# Altium PCB spd150.PcbDoc (part 1 of 15) (continued)
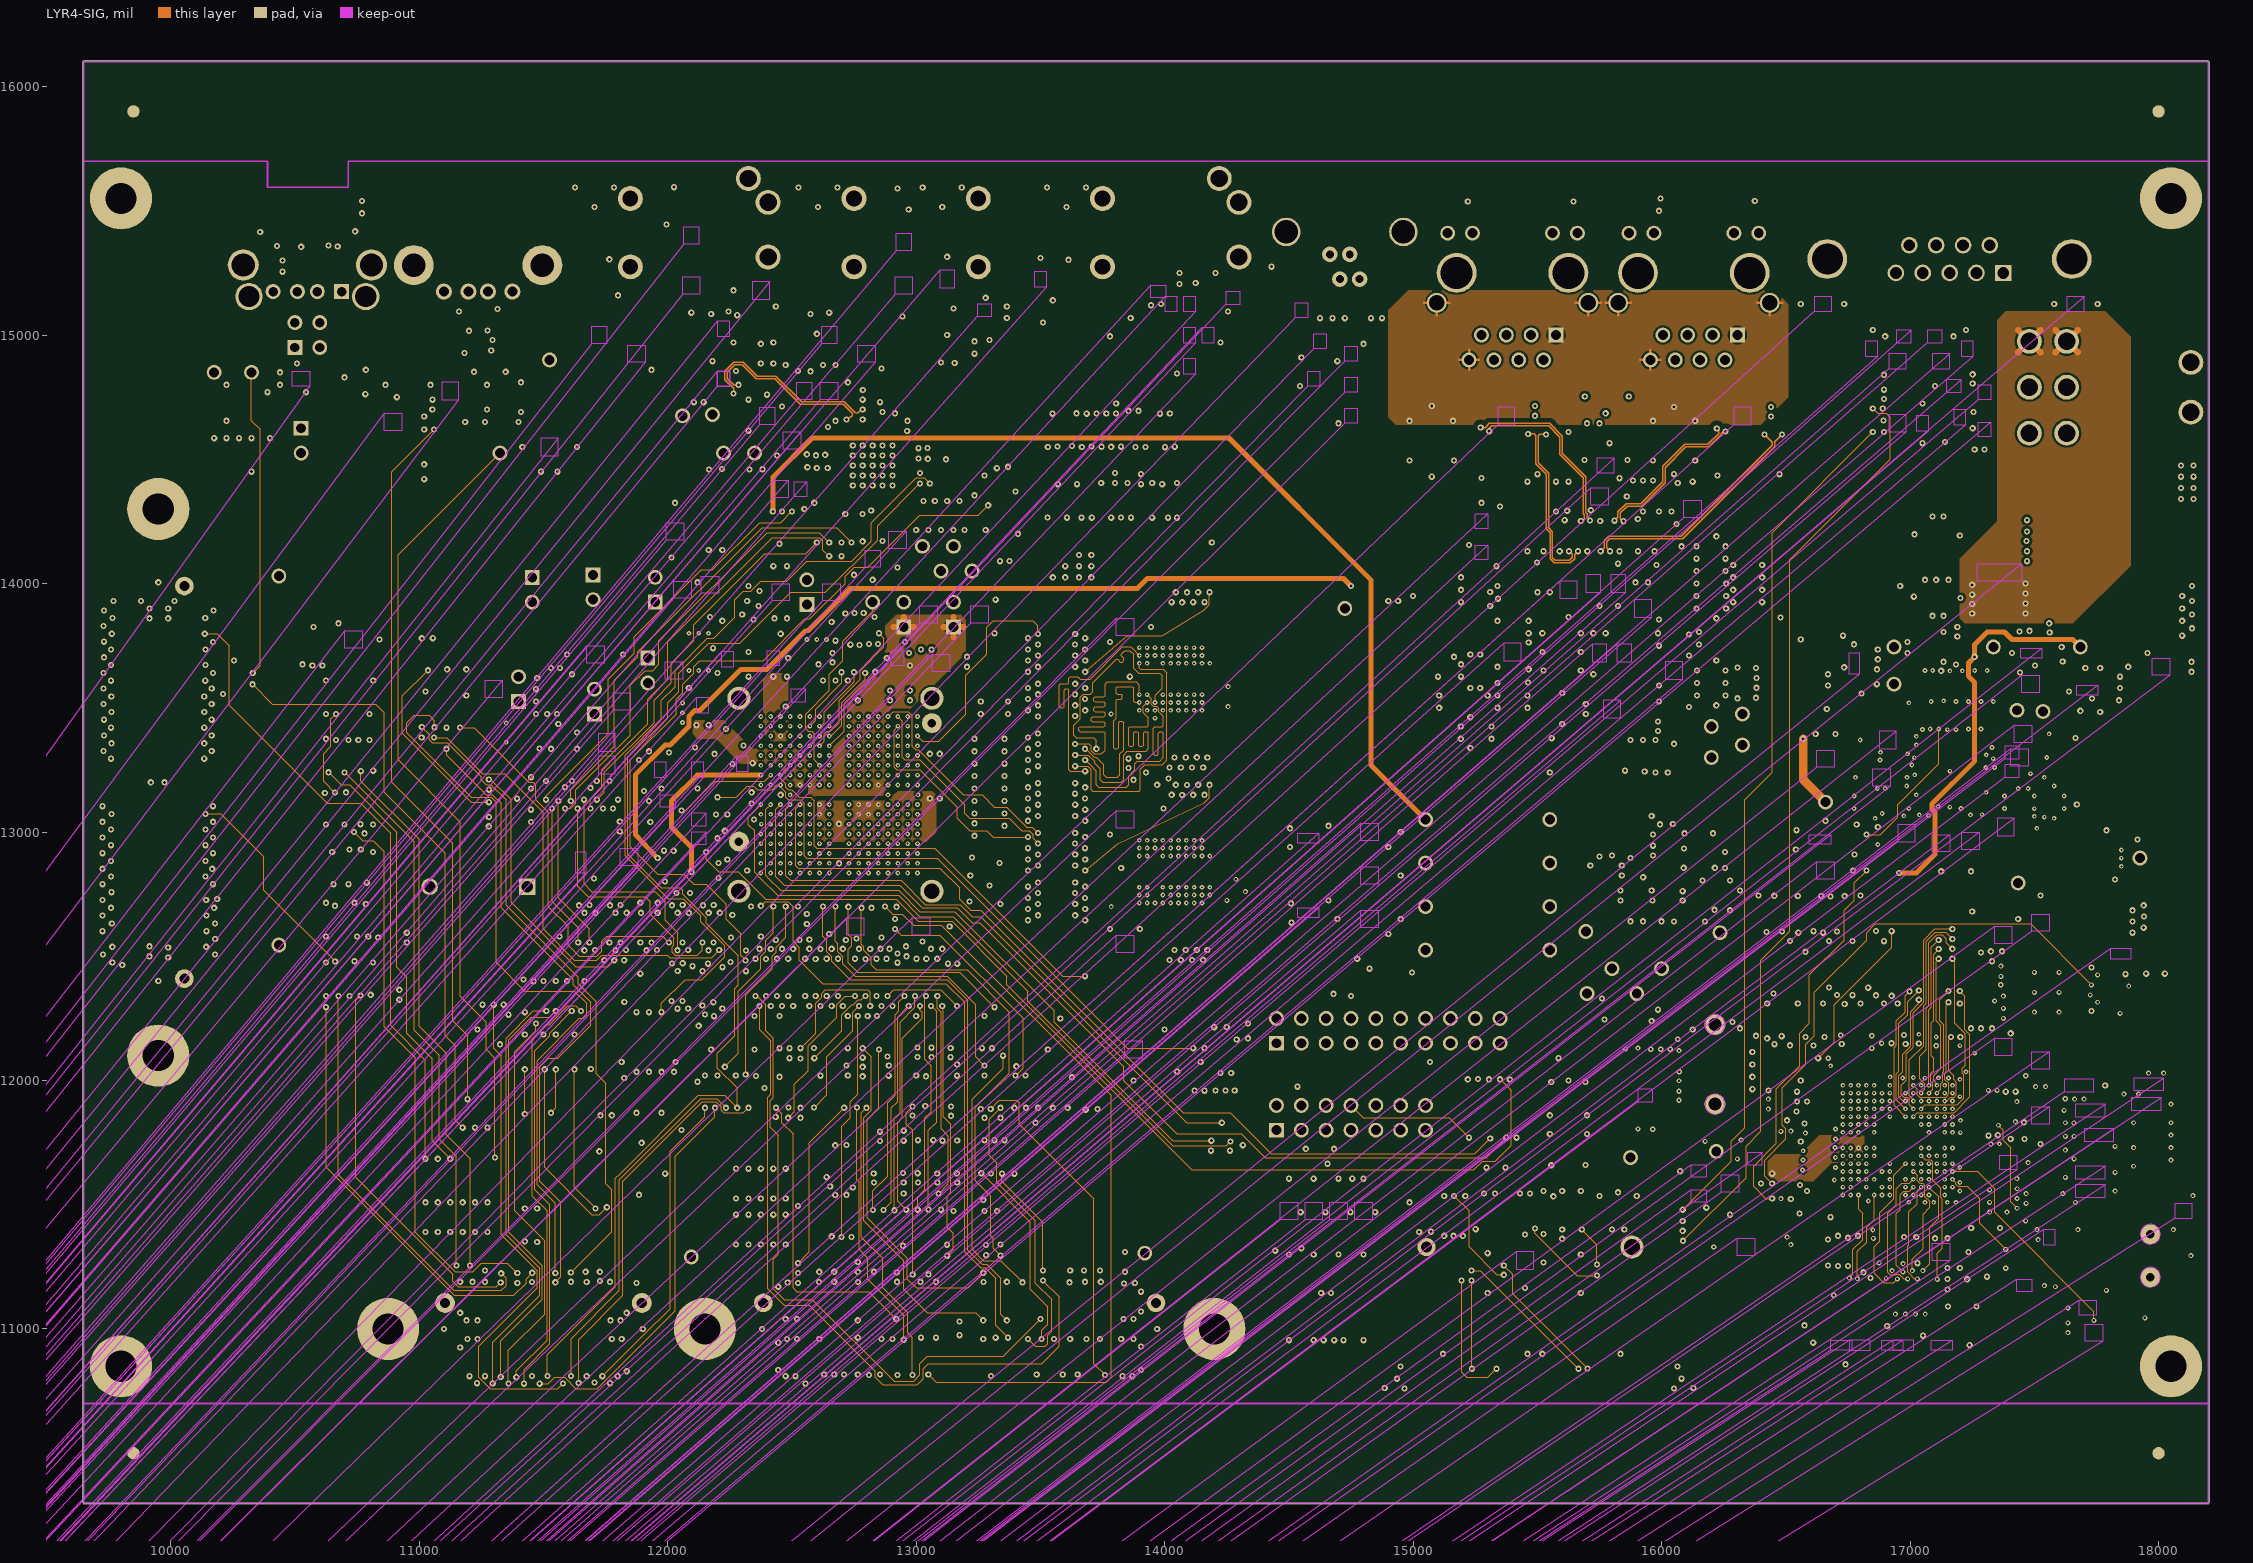
[diagram p4: LYR4-SIG]
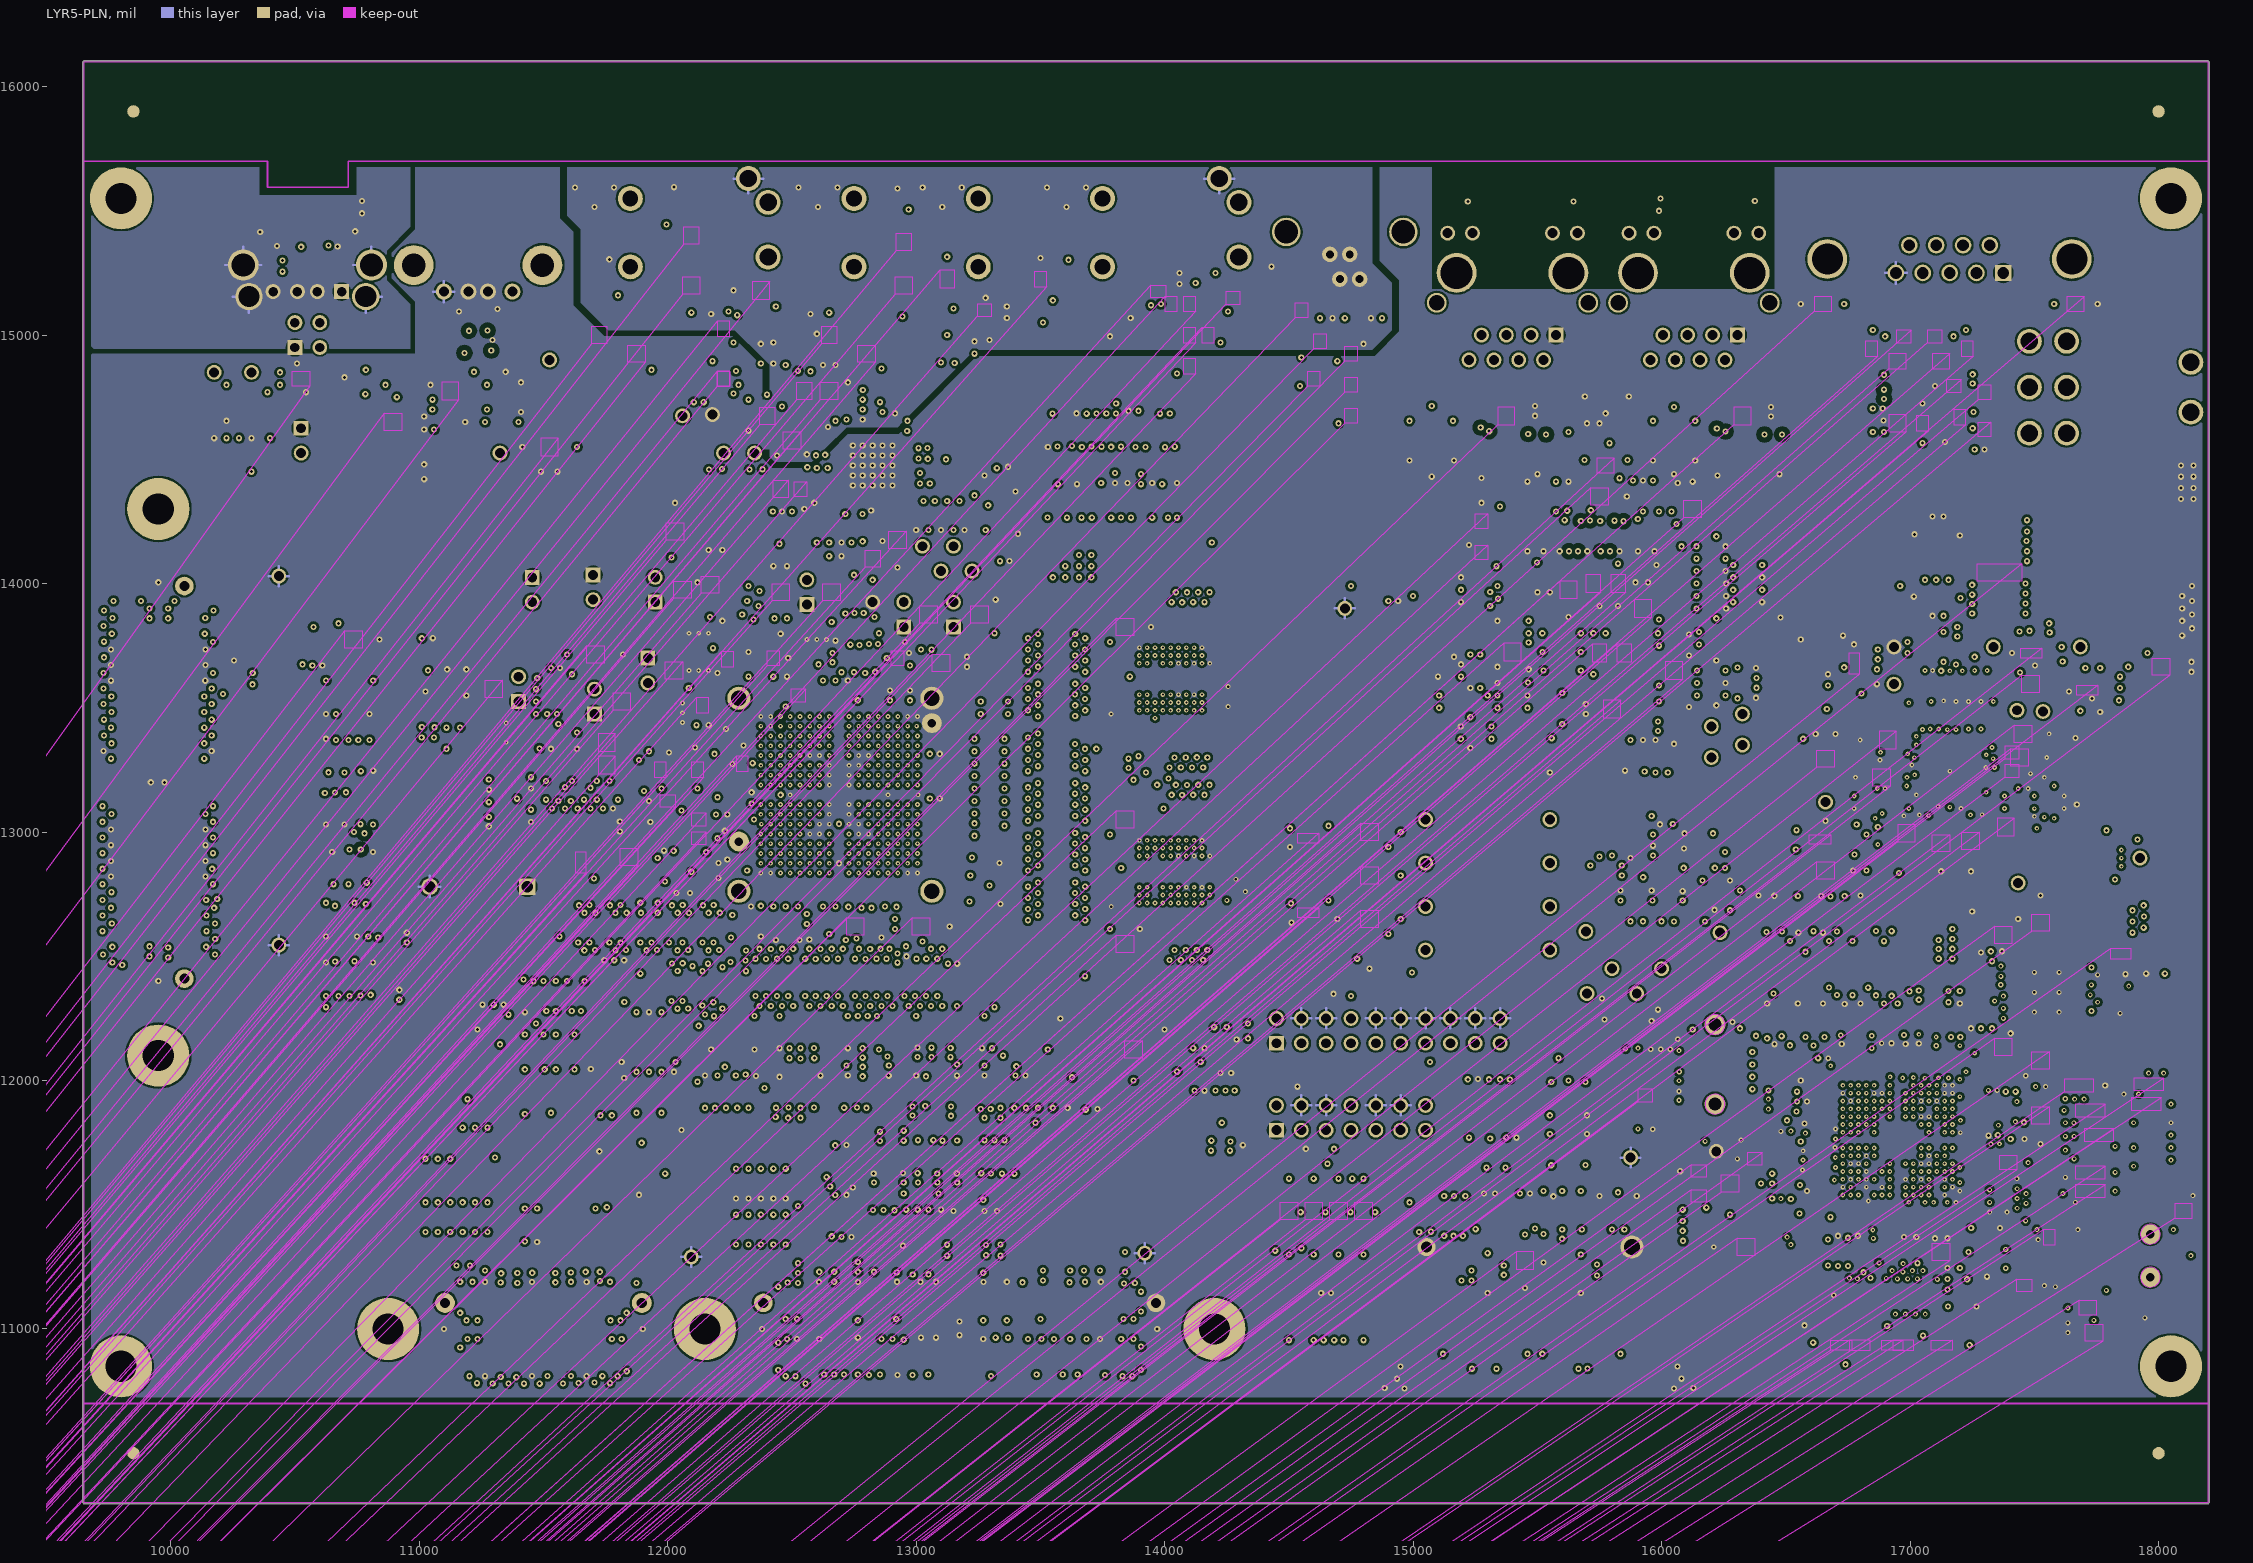
[diagram p5: LYR5-PLN]
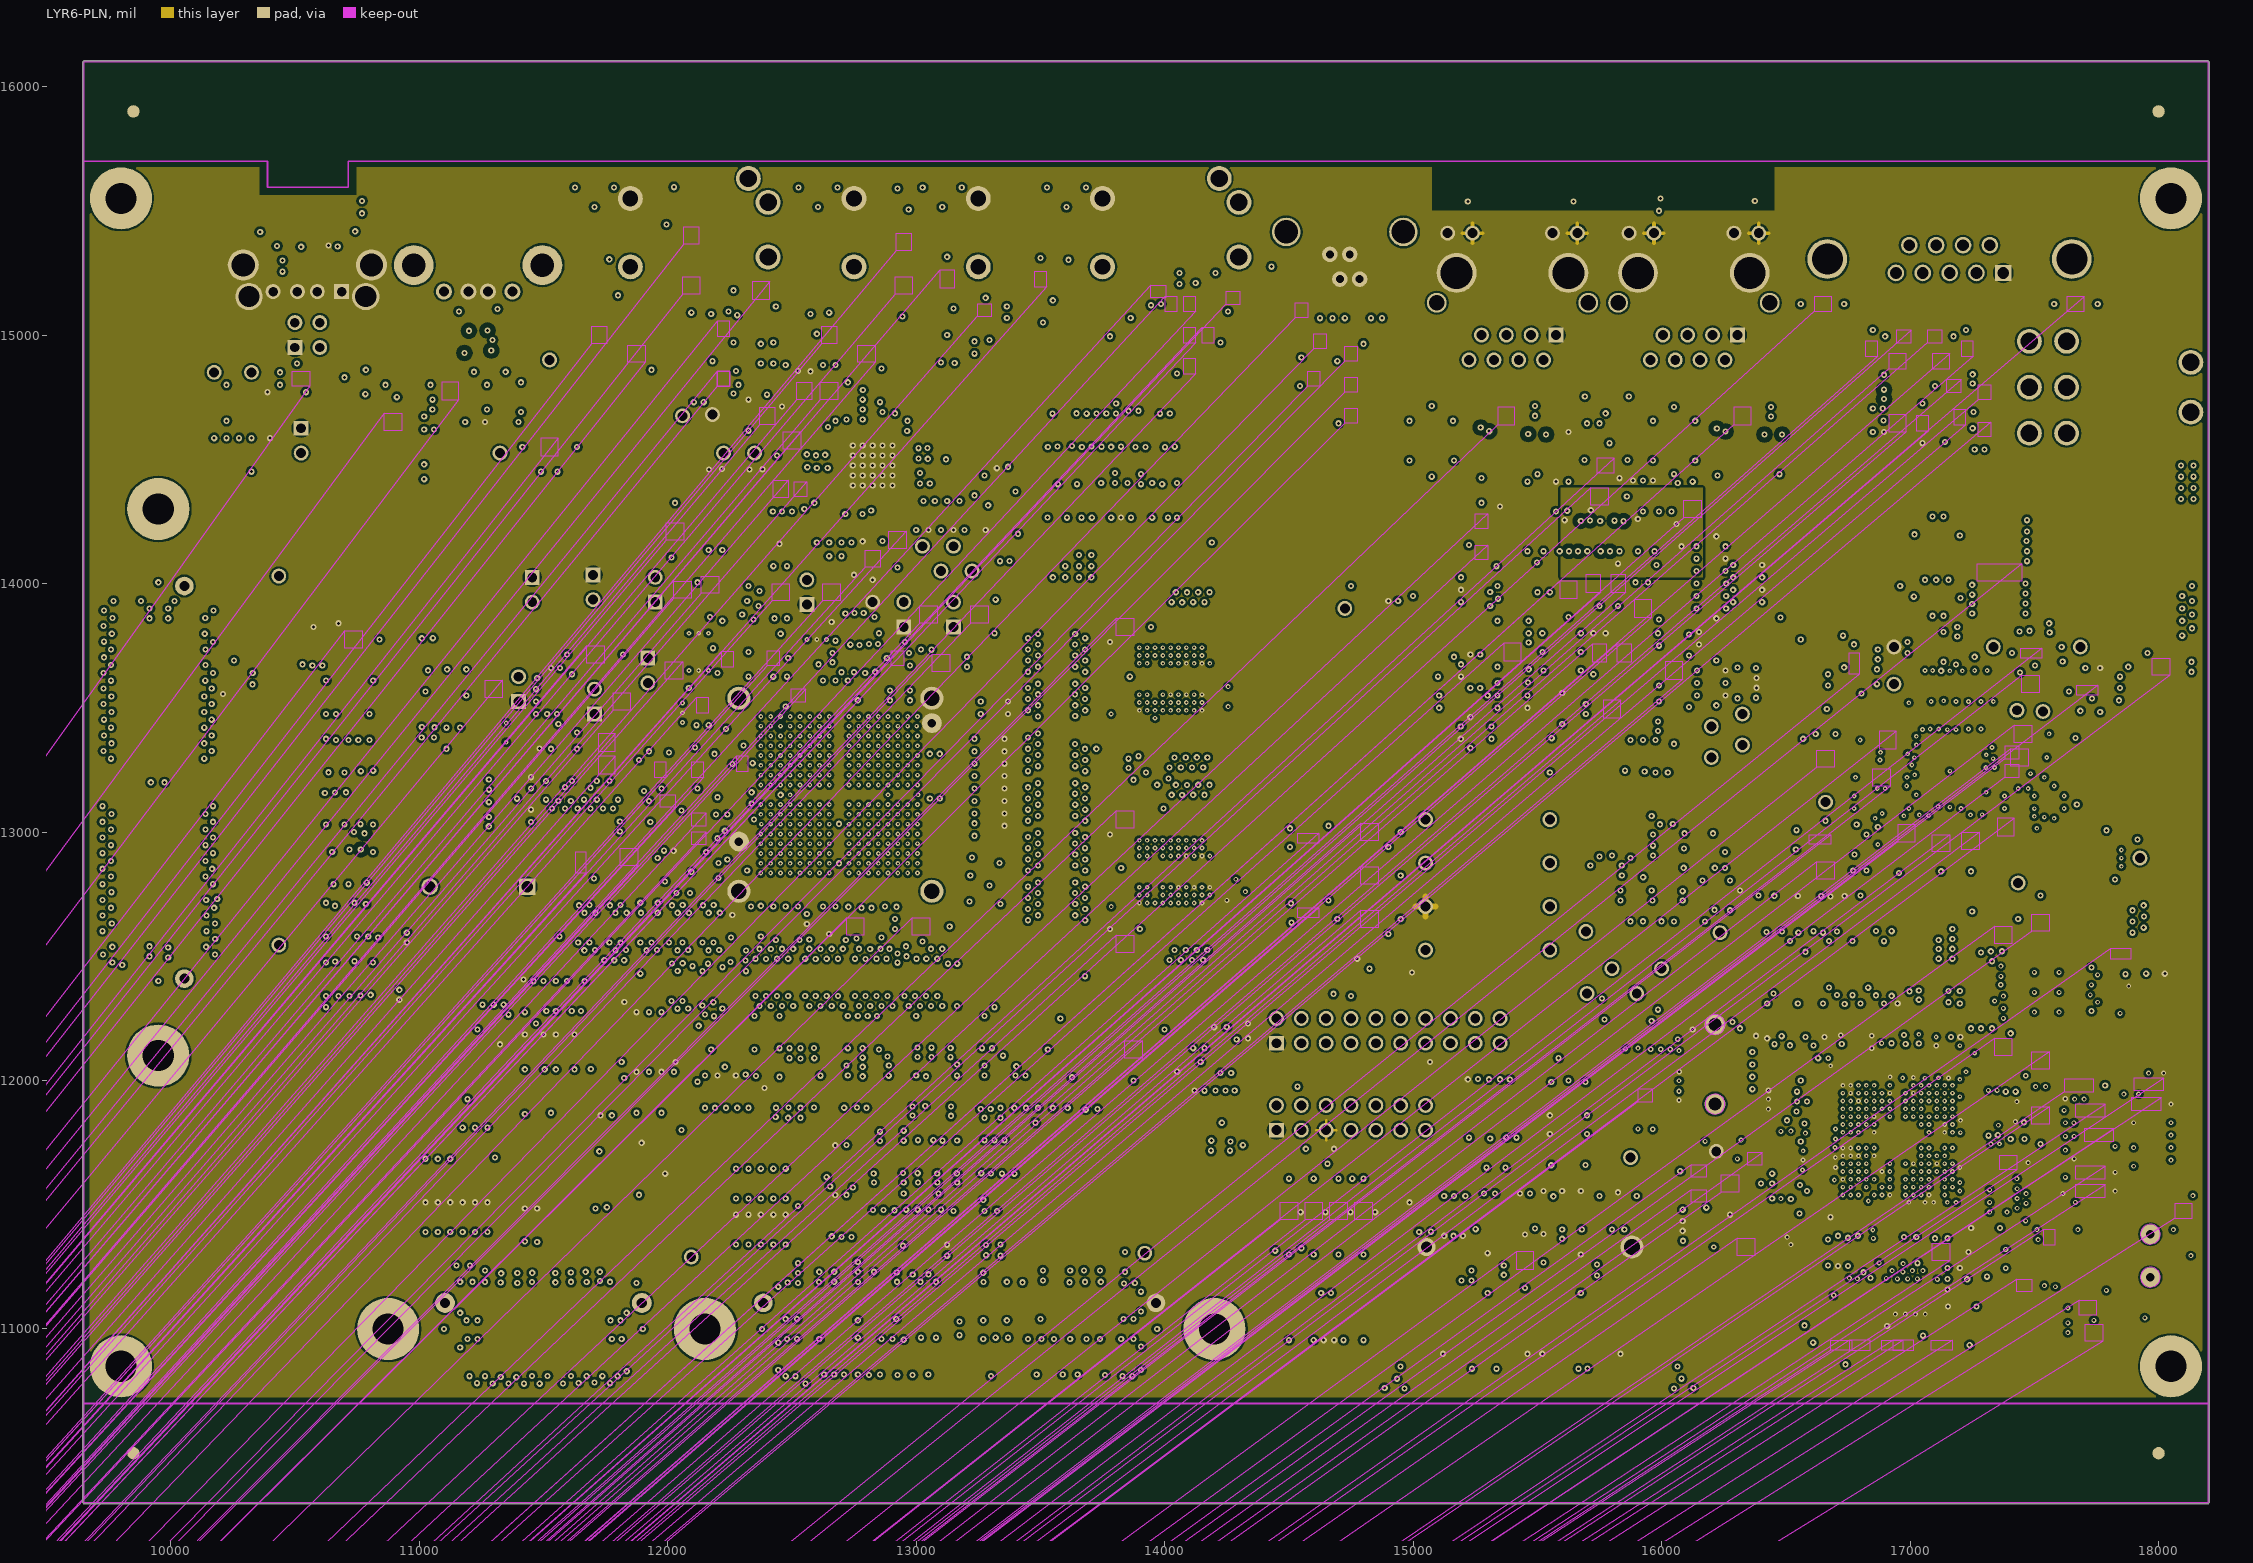
[diagram p6: LYR6-PLN]
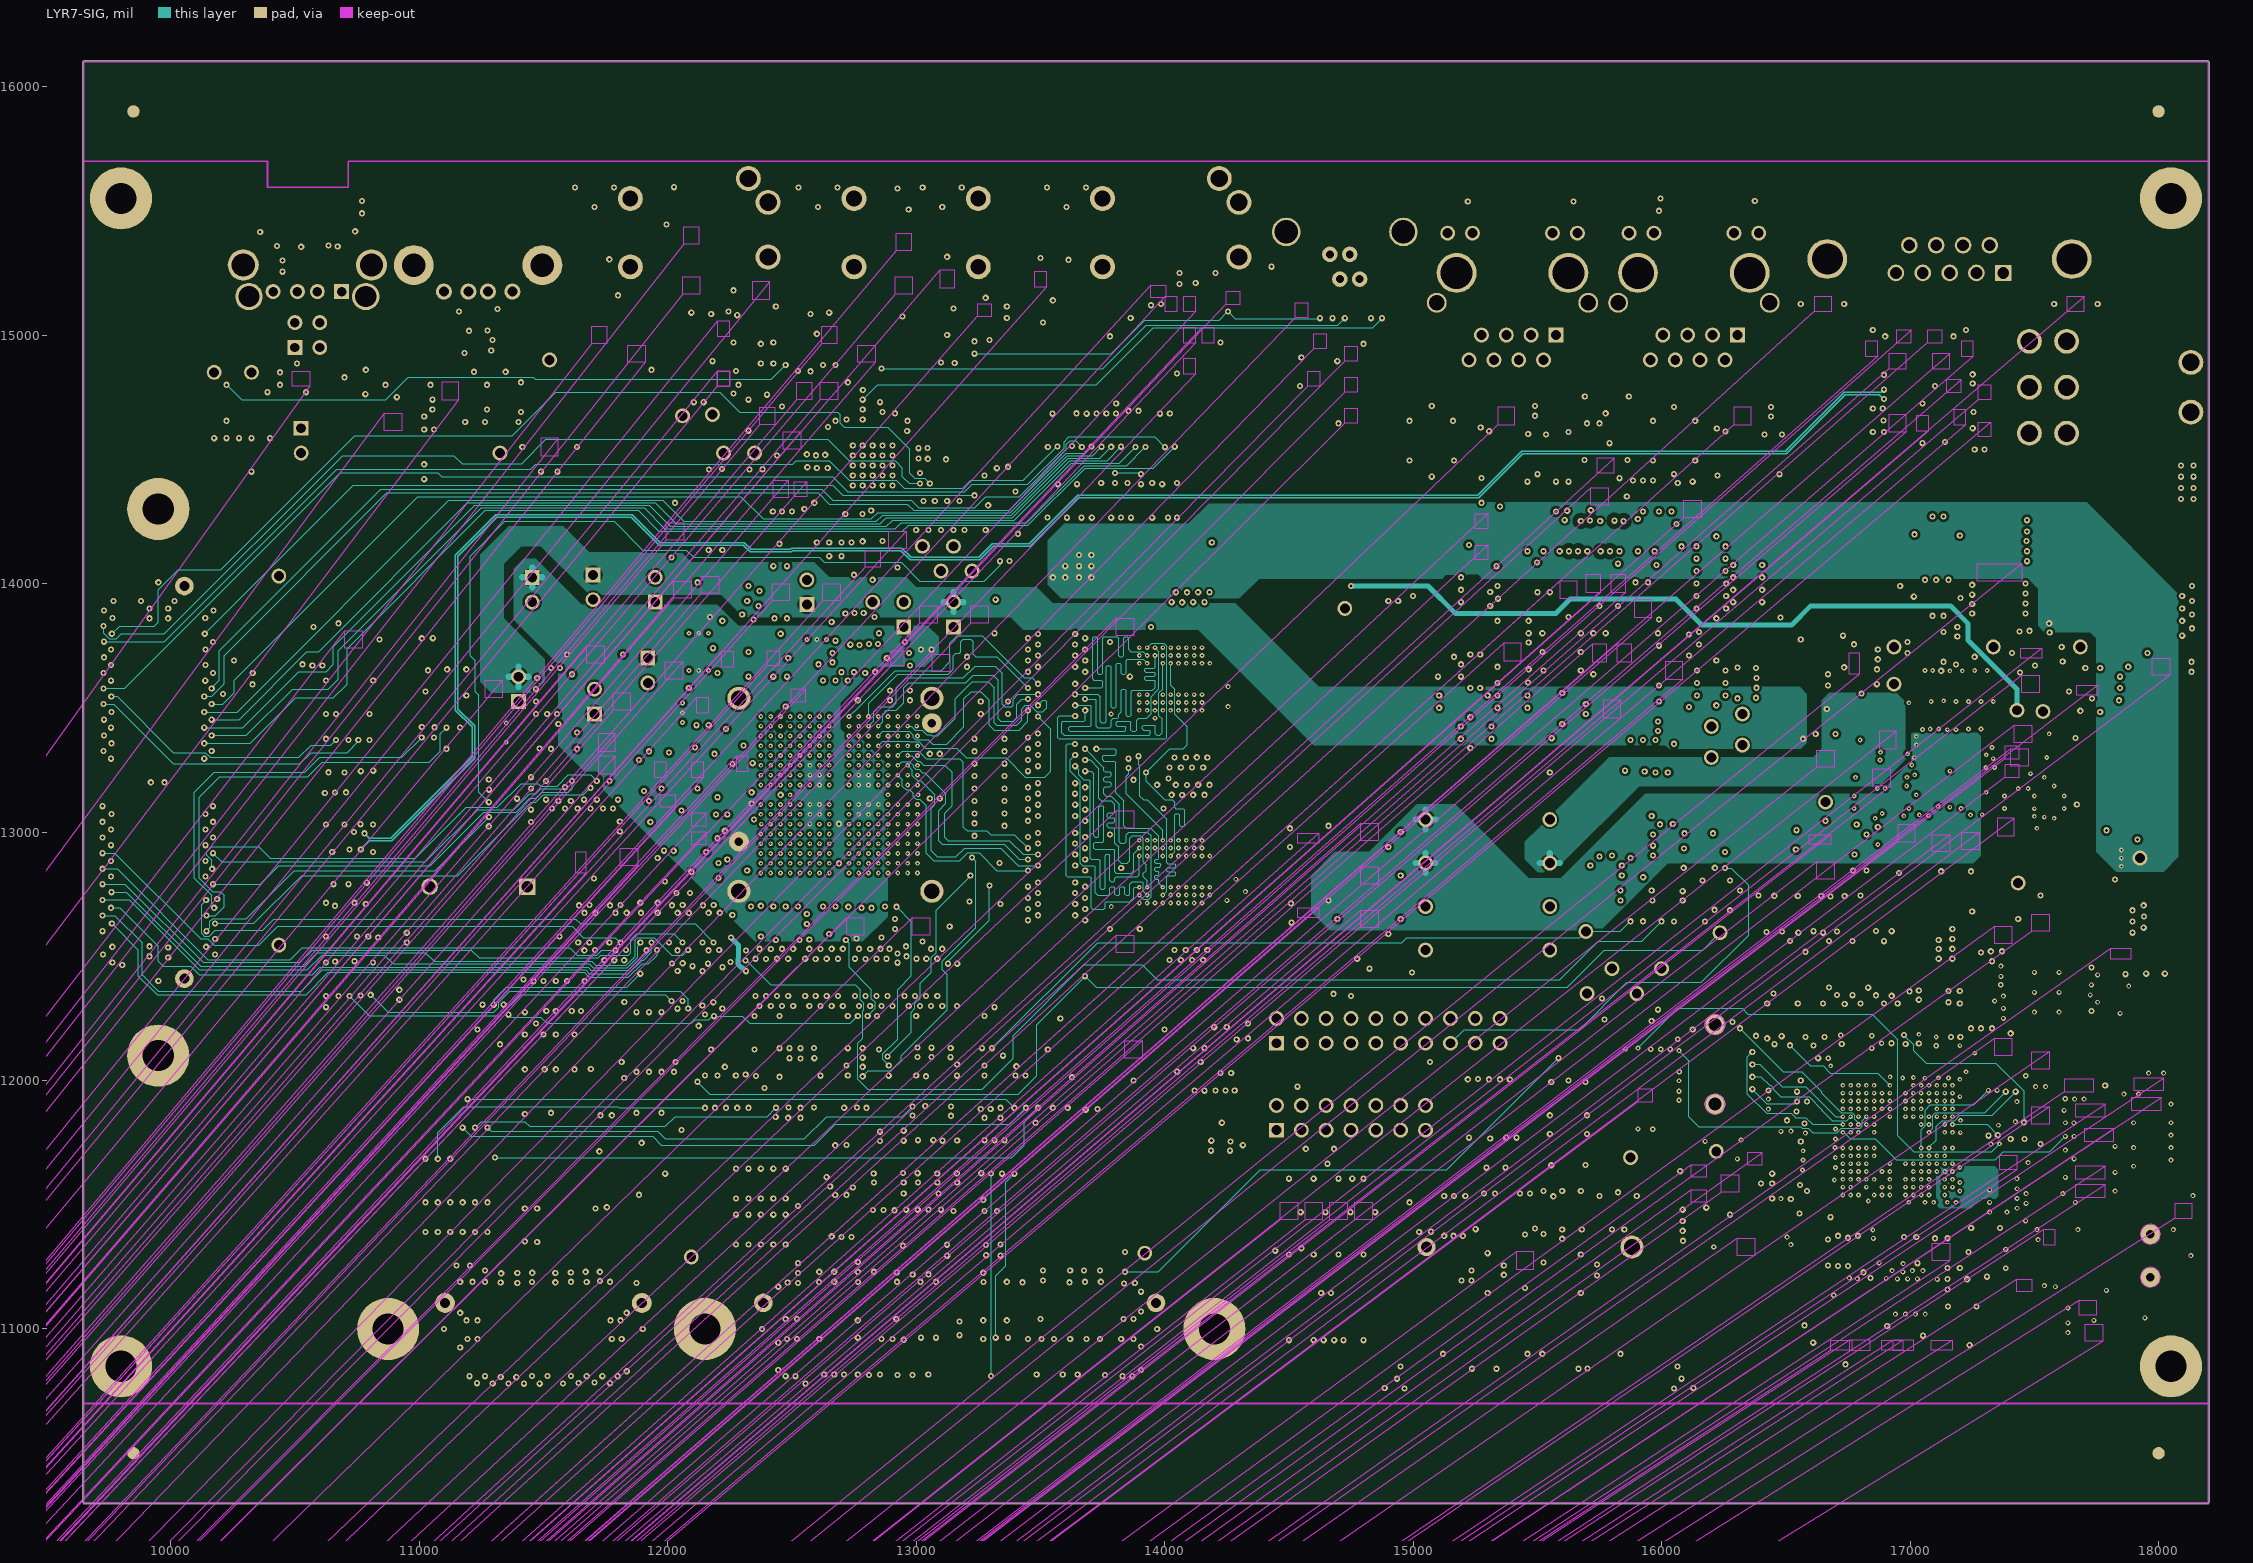
[diagram p7: LYR7-SIG]

## Text inside footprints (layer, text, board x,y; h text height)
U511: PIN_NUMBER "13" at 16926,12065 h30 r180; PIN_NUMBER "18" at 17024.5,12065 h30 r180; PIN_NUMBER "24" at 17142.7,12065 h30 r180; PIN_NUMBER "26" at 17231,11996.4 h30 r180; PIN_NUMBER "27" at 17231,11976.7 h30 r180; PIN_NUMBER "45" at 17231,11622.1 h30 r180; PIN_NUMBER "46" at 17231,11602.4 h30 r180; PIN_NUMBER "48" at 17231,11563 h30 r180; PIN_NUMBER "53" at 17123,11455 h30 r180; PIN_NUMBER "55" at 17083.6,11455 h30 r180; PIN_NUMBER "56" at 17063.9,11455 h30 r180; PIN_NUMBER "59" at 17004.8,11455 h30 r180; PIN_NUMBER "60" at 16985.1,11455 h30 r180; PIN_NUMBER "62" at 16945.7,11455 h30 r180; PIN_NUMBER "65" at 16886.6,11455 h30 r180; PIN_NUMBER "70" at 16788.1,11455 h30 r180; PIN_NUMBER "78" at 16621,11563 h30 r180; PIN_NUMBER "79" at 16621,11582.7 h30 r180; PIN_NUMBER "80" at 16621,11602.4 h30 r180; PIN_NUMBER "81" at 16621,11622.1 h30 r180; PIN_NUMBER "83" at 16621,11661.5 h30 r180; PIN_NUMBER "84" at 16621,11681.2 h30 r180; PIN_NUMBER "93" at 16621,11858.5 h30 r180; PIN_NUMBER "94" at 16621,11878.2 h30 r180; PIN_NUMBER "95" at 16621,11897.9 h30 r180; PIN_NUMBER "96" at 16621,11917.6 h30 r180; PIN_NUMBER "97" at 16621,11937.3 h30 r180; PIN_NUMBER "98" at 16621,11957 h30 r180; PIN_NUMBER "99" at 16621,11976.7 h30 r180; PIN_NUMBER "92" at 16621,11838.8 h30 r180; PIN_NUMBER "34" at 17231,11838.8 h30 r180; PIN_NUMBER "49" at 17231,11543.3 h30 r180; PIN_NUMBER "37" at 17231,11779.7 h30 r180; PIN_NUMBER "89" at 16621,11779.7 h30 r180; PIN_NUMBER "9" at 16859.2,12065 h30 r180; PIN_NUMBER "1" at 16701.6,12065 h30 r180; PIN_NUMBER "36" at 17231,11799.4 h30 r180; PIN_NUMBER "87" at 16621,11740.3 h30 r180; PIN_NUMBER "91" at 16621,11819.1 h30 r180; PIN_NUMBER "51" at 17162.4,11455 h30 r180; PIN_NUMBER "68" at 16827.5,11455 h30 r180; PIN_NUMBER "69" at 16807.8,11455 h30 r180; PIN_NUMBER "52" at 17142.7,11455 h30 r180; PIN_NUMBER "54" at 17103.3,11455 h30 r180; PIN_NUMBER "77" at 16621,11543.3 h30 r180; PIN_NUMBER "7" at 16819.8,12065 h30 r180; PIN_NUMBER "76" at 16621,11523.6 h30 r180; PIN_NUMBER "73" at 16729,11455 h30 r180; PIN_NUMBER "63" at 16926,11455 h30 r180; PIN_NUMBER "71" at 16768.4,11455 h30 r180; PIN_NUMBER "35" at 17231,11819.1 h30 r180; PIN_NUMBER "90" at 16621,11799.4 h30 r180; PIN_NUMBER "67" at 16847.2,11455 h30 r180; PIN_NUMBER "57" at 17044.2,11455 h30 r180; PIN_NUMBER "39" at 17231,11740.3 h30 r180; PIN_NUMBER "61" at 16965.4,11455 h30 r180; PIN_NUMBER "72" at 16748.7,11455 h30 r180; PIN_NUMBER "66" at 16866.9,11455 h30 r180; PIN_NUMBER "75" at 16689.6,11455 h30 r180; PIN_NUMBER "64" at 16906.3,11455 h30 r180; PIN_NUMBER "74" at 16709.3,11455 h30 r180; PIN_NUMBER "100" at 16609,11996.4 h30 r180; PIN_NUMBER "38" at 17231,11760 h30 r180; PIN_NUMBER "85" at 16621,11700.9 h30 r180; PIN_NUMBER "15" at 16965.4,12065 h30 r180; PIN_NUMBER "3" at 16741,12065 h30 r180; PIN_NUMBER "29" at 17231,11937.3 h30 r180; PIN_NUMBER "10" at 16866.9,12065 h30 r180; PIN_NUMBER "32" at 17231,11878.2 h30 r180; PIN_NUMBER "30" at 17231,11917.6 h30 r180; PIN_NUMBER "19" at 17044.2,12065 h30 r180; PIN_NUMBER "40" at 17231,11720.6 h30 r180; PIN_NUMBER "33" at 17231,11858.5 h30 r180; PIN_NUMBER "2" at 16721.3,12065 h30 r180; PIN_NUMBER "5" at 16780.4,12065 h30 r180; PIN_NUMBER "6" at 16800.1,12065 h30 r180; PIN_NUMBER "41" at 17231,11700.9 h30 r180; PIN_NUMBER "21" at 17083.6,12065 h30 r180; PIN_NUMBER "50" at 17231,11523.6 h30 r180; PIN_NUMBER "12" at 16906.3,12065 h30 r180; PIN_NUMBER "23" at 17123,12065 h30 r180; PIN_NUMBER "14" at 16945.7,12065 h30 r180; PIN_NUMBER "86" at 16621,11720.6 h30 r180; PIN_NUMBER "47" at 17231,11582.7 h30 r180; PIN_NUMBER "28" at 17231,11957 h30 r180; PIN_NUMBER "17" at 17004.8,12065 h30 r180; PIN_NUMBER "42" at 17231,11681.2 h30 r180; PIN_NUMBER "11" at 16886.6,12065 h30 r180; PIN_NUMBER "16" at 16985.1,12065 h30 r180; PIN_NUMBER "43" at 17231,11661.5 h30 r180; PIN_NUMBER "22" at 17103.3,12065 h30 r180; PIN_NUMBER "4" at 16760.7,12065 h30 r180; PIN_NUMBER "31" at 17231,11897.9 h30 r180; PIN_NUMBER "88" at 16621,11760 h30 r180; PIN_NUMBER "8" at 16839.5,12065 h30 r180; PIN_NUMBER "20" at 17063.9,12065 h30 r180; PIN_NUMBER "25" at 17162.4,12065 h30 r180; PIN_NUMBER "44" at 17231,11641.8 h30 r180; PIN_NUMBER "58" at 17024.5,11455 h30 r180; PIN_NUMBER "82" at 16621,11641.8 h30 r180; SYMB_DIM "LQFP100" at 16790,11150 h40 r180; SYMB_DIM "PAD 11X70OV" at 16725,12400 h40 r180; SYMB_DIM "PAD 70X11OV" at 16720,12490 h40 r180; SYMB_DIM "0" at 16935,11325 h30 r180; SYMB_DIM "0" at 17360,11775 h30 r180; ASSEMBLY_BOTTOM "506173-0001A" at 16830,11645 h40 r180; ASSEMBLY_BOTTOM "TOL" at 16885,11595 h40 r180; ASSEMBLY_BOTTOM "PART#" at 16815,11880 h40 r180
U512: PIN_NUMBER "36" at 16925.5,12678 h40; PIN_NUMBER "40" at 16799.5,12678 h40; PIN_NUMBER "28" at 17177.5,12678 h40; PIN_NUMBER "46" at 16610.5,12678 h40; PIN_NUMBER "41" at 16768,12678 h40; PIN_NUMBER "52" at 16421.5,12678 h40; PIN_NUMBER "54" at 16358.5,12678 h40; PIN_NUMBER "12" at 16705,12242 h40; PIN_NUMBER "6" at 16532,12242 h40; PIN_NUMBER "37" at 16894,12678 h40; PIN_NUMBER "24" at 17083,12242 h40; PIN_NUMBER "11" at 16673.5,12242 h40; PIN_NUMBER "5" at 16500.5,12242 h40; PIN_NUMBER "47" at 16579,12678 h40; PIN_NUMBER "29" at 17146,12678 h40; PIN_NUMBER "45" at 16642,12678 h40; PIN_NUMBER "13" at 16736.5,12242 h40; PIN_NUMBER "44" at 16673.5,12678 h40; PIN_NUMBER "42" at 16736.5,12678 h40; PIN_NUMBER "8" at 16595,12242 h40; PIN_NUMBER "7" at 16563.5,12242 h40; PIN_NUMBER "30" at 17114.5,12678 h40; PIN_NUMBER "38" at 16862.5,12678 h40; PIN_NUMBER "15" at 16799.5,12242 h40; PIN_NUMBER "22" at 17020,12242 h40; PIN_NUMBER "39" at 16831,12678 h40; PIN_NUMBER "21" at 16988.5,12242 h40; PIN_NUMBER "18" at 16894,12242 h40; PIN_NUMBER "2" at 16406,12242 h40; PIN_NUMBER "53" at 16390,12678 h40; PIN_NUMBER "20" at 16957,12242 h40; PIN_NUMBER "32" at 17051.5,12678 h40; PIN_NUMBER "51" at 16453,12678 h40; PIN_NUMBER "23" at 17051.5,12242 h40; PIN_NUMBER "50" at 16484.5,12678 h40; PIN_NUMBER "48" at 16547.5,12678 h40; PIN_NUMBER "35" at 16957,12678 h40; PIN_NUMBER "26" at 17146,12242 h40; PIN_NUMBER "34" at 16988.5,12678 h40; PIN_NUMBER "33" at 17020,12678 h40; PIN_NUMBER "4" at 16469,12242 h40; PIN_NUMBER "25" at 17114.5,12242 h40; PIN_NUMBER "16" at 16831,12242 h40; PIN_NUMBER "17" at 16862.5,12242 h40; PIN_NUMBER "19" at 16925.5,12242 h40; PIN_NUMBER "31" at 17083,12678 h40; PIN_NUMBER "10" at 16642,12242 h40; PIN_NUMBER "43" at 16705,12678 h40; PIN_NUMBER "49" at 16516,12678 h40; PIN_NUMBER "27" at 17177.5,12242 h40; PIN_NUMBER "14" at 16768,12242 h40; PIN_NUMBER "9" at 16626.5,12242 h40; PIN_NUMBER "3" at 16437.5,12242 h40; PIN_NUMBER "1" at 16374.5,12242 h40; ASSEMBLY_TOP "MT48LC4M16A2TG-8EL" at 16645,12575 h40; ASSEMBLY_TOP "XXX" at 16860,12575 h40; ASSEMBLY_TOP "XXX" at 17060,12575 h40; SYMB_DIM "PAD 18X75OV" at 17375,12560 h40; SYMB_DIM "SM  26X83OV" at 17375,12485 h40; SYMB_DIM "SP  18X75OV" at 17375,12410 h40; SYMB_DIM "TSOP54-MICRON-18X75" at 16355,13020 h40; SYMB_DIM "0" at 16780,12115 h40; SYMB_DIM "0" at 16280,12440 h40
U513: PIN_NUMBER "1" at 15976,11865 h40 r90; PIN_NUMBER "2" at 15976,12065 h40 r90; PIN_NUMBER "3" at 15810,12065 h40 r90; PIN_NUMBER "4" at 15810,11865 h40 r90; ASSEMBLY_TOP "24 MHz" at 15925,11965 h40 r90; ASSEMBLY_TOP "TOLERANCE" at 16125,11965 h40 r90; ASSEMBLY_TOP "USERPART#" at 16225,11965 h40 r90; SYMBOL_PART_DIM "PAD 71X79REC" at 16400,11765 h40 r90; SYMBOL_PART_DIM "SM  79X87REC" at 16475,11765 h40 r90; SYMBOL_PART_DIM "SP  71X79REC" at 16550,11765 h40 r90; SYMBOL_PART_DIM "OSC4-71X79" at 16325,11715 h40 r90; SYMBOL_PART_DIM "0" at 16220,11945 h40 r90; SYMBOL_PART_DIM "0" at 15945,11670 h40 r90
Y1: PIN_NUMBER "2" at 11860,13042.5 h40 r180; PIN_NUMBER "3" at 11860,13007.5 h40 r180; PIN_NUMBER "1" at 12108,13042.5 h40 r180; PIN_NUMBER "4" at 12108,13007.5 h40 r180
Y2: PIN_NUMBER "1" at 12071,13270 h40 r180; PIN_NUMBER "2" at 12002,13270 h40 r180
Y3: PIN_NUMBER "1" at 15114,14242 h40 r270; PIN_NUMBER "2" at 15114,14173 h40 r270
Z1: PIN_NUMBER "1" at 9920,12100 h75
Z2: PIN_NUMBER "1" at 14170,11000 h75
Z3: PIN_NUMBER "1" at 10845,11000 h75
Z4: PIN_NUMBER "1" at 9770,10850 h75
Z5: PIN_NUMBER "1" at 18020,10850 h75
Z7: PIN_NUMBER "1" at 9920,14300 h75
Z8: PIN_NUMBER "1" at 9770,15550 h75
Z9: PIN_NUMBER "1" at 18020,15550 h75
Z10: PIN_NUMBER "1" at 12120,11000 h75